# KiCad board EOutside.kicad_pcb (continued)
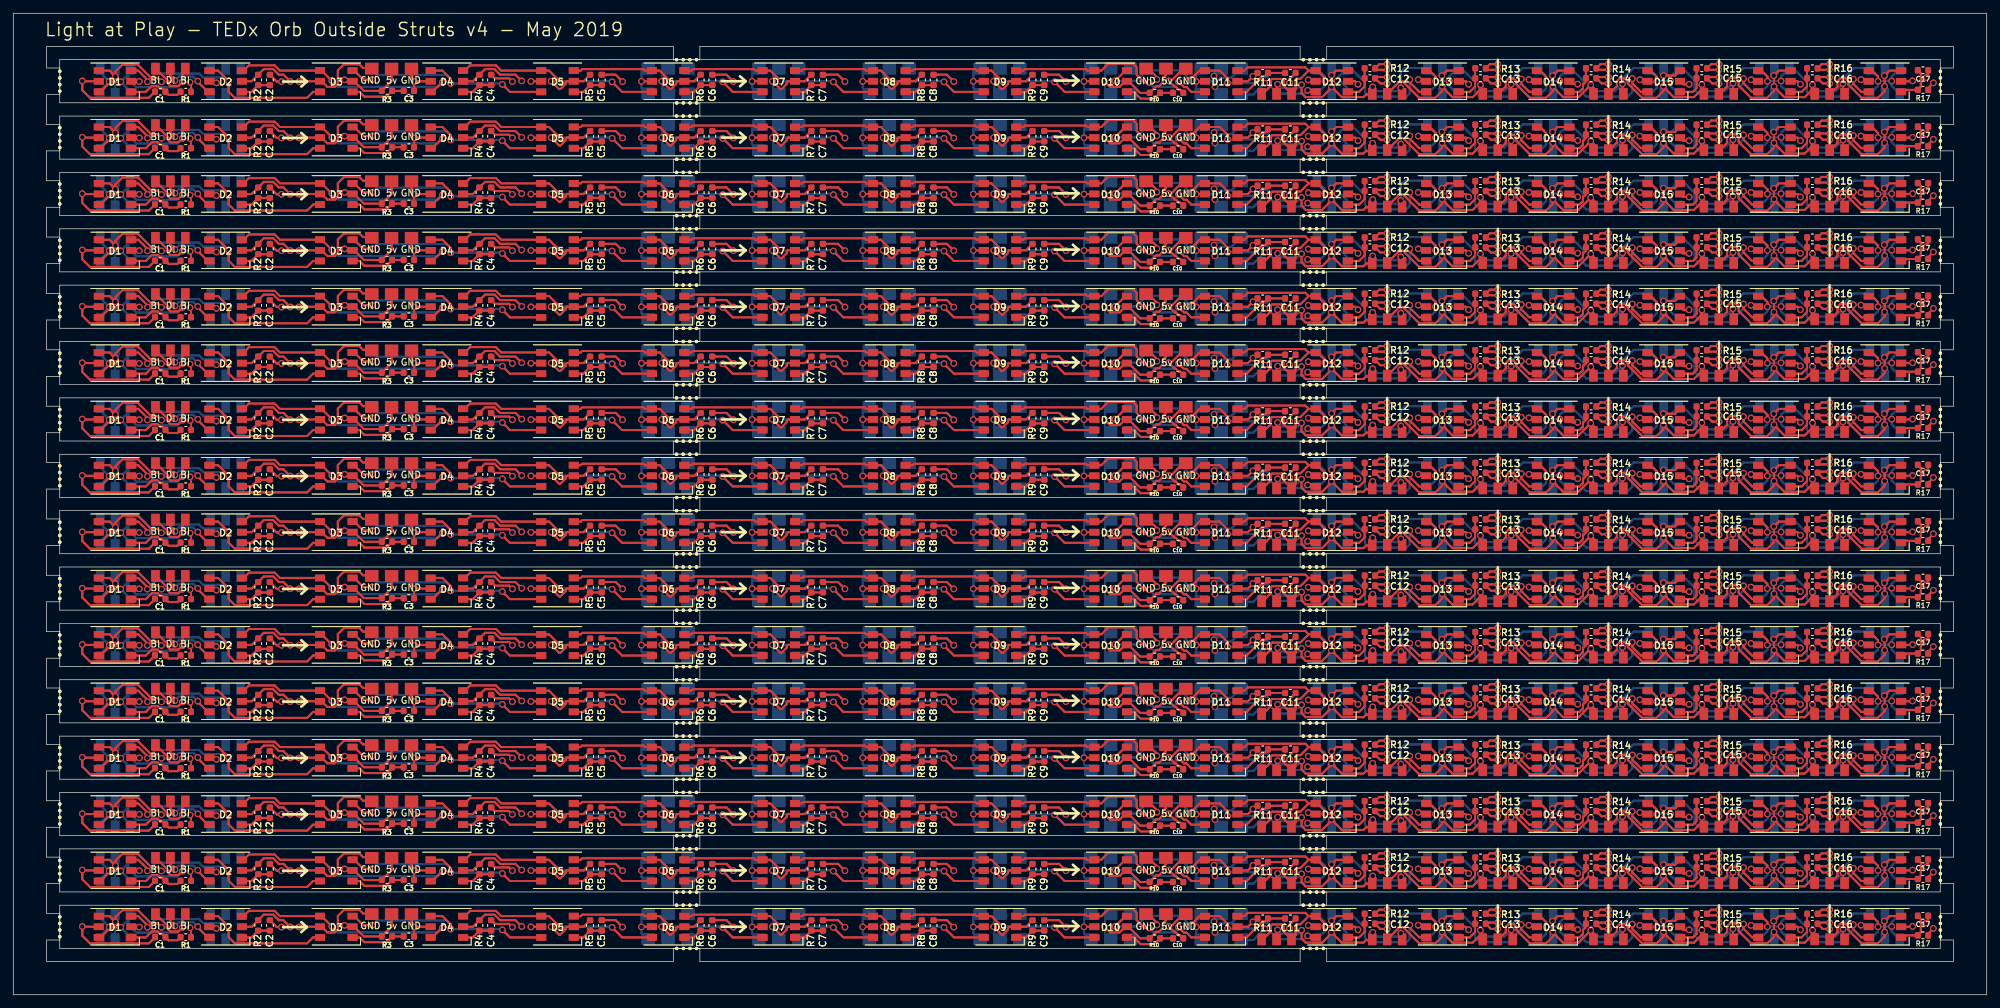
[diagram p0: board, top side]
## Placement (name value [footprint] x y rotation side) (continued)
J7#97  DAT_BRIDGE  [TEDX_DAT_BRIDGE]  32 81.5 180 bottom
J7#98  DAT_BRIDGE  [TEDX_DAT_BRIDGE]  32 75 0 bottom
J7#99  DAT_BRIDGE  [TEDX_DAT_BRIDGE]  15.33 81.5 180 bottom
J7#100  DAT_BRIDGE  [TEDX_DAT_BRIDGE]  15.33 75 0 bottom
J7#101  DAT_BRIDGE  [TEDX_DAT_BRIDGE]  15.33 81.5 180 bottom
J7#102  DAT_BRIDGE  [TEDX_DAT_BRIDGE]  15.33 83.5 0 bottom
J7#103  DAT_BRIDGE  [TEDX_DAT_BRIDGE]  32 98.5 180 bottom
J7#104  DAT_BRIDGE  [TEDX_DAT_BRIDGE]  32 92 0 bottom
J7#105  DAT_BRIDGE  [TEDX_DAT_BRIDGE]  15.33 98.5 180 bottom
J7#106  DAT_BRIDGE  [TEDX_DAT_BRIDGE]  15.33 92 0 bottom
J7#107  DAT_BRIDGE  [TEDX_DAT_BRIDGE]  15.33 98.5 180 bottom
J7#108  DAT_BRIDGE  [TEDX_DAT_BRIDGE]  15.33 75 0 bottom
J7#109  DAT_BRIDGE  [TEDX_DAT_BRIDGE]  32 92 0 bottom
J7#110  DAT_BRIDGE  [TEDX_DAT_BRIDGE]  15.33 98.5 180 bottom
J7#111  DAT_BRIDGE  [TEDX_DAT_BRIDGE]  15.33 92 0 bottom
J7#112  DAT_BRIDGE  [TEDX_DAT_BRIDGE]  15.33 98.5 180 bottom
J7#113  DAT_BRIDGE  [TEDX_DAT_BRIDGE]  32 98.5 180 bottom
J7#114  DAT_BRIDGE  [TEDX_DAT_BRIDGE]  32 90 180 bottom
J7#115  DAT_BRIDGE  [TEDX_DAT_BRIDGE]  32 83.5 0 bottom
J7#116  DAT_BRIDGE  [TEDX_DAT_BRIDGE]  15.33 100.5 0 bottom
J7#117  DAT_BRIDGE  [TEDX_DAT_BRIDGE]  15.33 90 180 bottom
J7#118  DAT_BRIDGE  [TEDX_DAT_BRIDGE]  15.33 107 180 bottom
J7#119  DAT_BRIDGE  [TEDX_DAT_BRIDGE]  32 100.5 0 bottom
J7#120  DAT_BRIDGE  [TEDX_DAT_BRIDGE]  15.33 107 180 bottom
J7#121  DAT_BRIDGE  [TEDX_DAT_BRIDGE]  15.33 100.5 0 bottom
J7#122  DAT_BRIDGE  [TEDX_DAT_BRIDGE]  32 107 180 bottom
J7#123  DAT_BRIDGE  [TEDX_DAT_BRIDGE]  15.33 100.5 0 bottom
J7#124  DAT_BRIDGE  [TEDX_DAT_BRIDGE]  15.33 90 180 bottom
J7#125  DAT_BRIDGE  [TEDX_DAT_BRIDGE]  15.33 92 0 bottom
J7#126  DAT_BRIDGE  [TEDX_DAT_BRIDGE]  15.33 75 0 bottom
J7#127  DAT_BRIDGE  [TEDX_DAT_BRIDGE]  15.33 83.5 0 bottom
J7#128  DAT_BRIDGE  [TEDX_DAT_BRIDGE]  15.33 92 0 bottom
J7#129  DAT_BRIDGE  [TEDX_DAT_BRIDGE]  15.33 58 0 bottom
J7#130  DAT_BRIDGE  [TEDX_DAT_BRIDGE]  15.33 64.5 180 bottom
J7#131  DAT_BRIDGE  [TEDX_DAT_BRIDGE]  32 47.5 180 bottom
J7#132  DAT_BRIDGE  [TEDX_DAT_BRIDGE]  15.33 49.5 0 bottom
J7#133  DAT_BRIDGE  [TEDX_DAT_BRIDGE]  32 64.5 180 bottom
J7#134  DAT_BRIDGE  [TEDX_DAT_BRIDGE]  32 58 0 bottom
J7#135  DAT_BRIDGE  [TEDX_DAT_BRIDGE]  15.33 64.5 180 bottom
J7#136  DAT_BRIDGE  [TEDX_DAT_BRIDGE]  15.33 47.5 180 bottom
J7#137  DAT_BRIDGE  [TEDX_DAT_BRIDGE]  15.33 47.5 180 bottom
J7#138  DAT_BRIDGE  [TEDX_DAT_BRIDGE]  15.33 41 0 bottom
J7#139  DAT_BRIDGE  [TEDX_DAT_BRIDGE]  15.33 49.5 0 bottom
J7#140  DAT_BRIDGE  [TEDX_DAT_BRIDGE]  32 56 180 bottom
J7#141  DAT_BRIDGE  [TEDX_DAT_BRIDGE]  15.33 56 180 bottom
J7#142  DAT_BRIDGE  [TEDX_DAT_BRIDGE]  15.33 56 180 bottom
J7#143  DAT_BRIDGE  [TEDX_DAT_BRIDGE]  15.33 49.5 0 bottom
J7#144  DAT_BRIDGE  [TEDX_DAT_BRIDGE]  32 49.5 0 bottom
J7#145  DAT_BRIDGE  [TEDX_DAT_BRIDGE]  15.33 41 0 bottom
J7#146  DAT_BRIDGE  [TEDX_DAT_BRIDGE]  32 49.5 0 bottom
J7#147  DAT_BRIDGE  [TEDX_DAT_BRIDGE]  32 58 0 bottom
J7#148  DAT_BRIDGE  [TEDX_DAT_BRIDGE]  15.33 64.5 180 bottom
J7#149  DAT_BRIDGE  [TEDX_DAT_BRIDGE]  15.33 58 0 bottom
J7#150  DAT_BRIDGE  [TEDX_DAT_BRIDGE]  32 64.5 180 bottom
J7#151  DAT_BRIDGE  [TEDX_DAT_BRIDGE]  32 56 180 bottom
J7#152  DAT_BRIDGE  [TEDX_DAT_BRIDGE]  15.33 64.5 180 bottom
J7#153  DAT_BRIDGE  [TEDX_DAT_BRIDGE]  32 73 180 bottom
J7#154  DAT_BRIDGE  [TEDX_DAT_BRIDGE]  32 66.5 0 bottom
J7#155  DAT_BRIDGE  [TEDX_DAT_BRIDGE]  15.33 56 180 bottom
J7#156  DAT_BRIDGE  [TEDX_DAT_BRIDGE]  15.33 66.5 0 bottom
J7#157  DAT_BRIDGE  [TEDX_DAT_BRIDGE]  15.33 73 180 bottom
J7#158  DAT_BRIDGE  [TEDX_DAT_BRIDGE]  15.33 58 0 bottom
J7#159  DAT_BRIDGE  [TEDX_DAT_BRIDGE]  15.33 56 180 bottom
J7#160  DAT_BRIDGE  [TEDX_DAT_BRIDGE]  15.33 66.5 0 bottom
J7#161  DAT_BRIDGE  [TEDX_DAT_BRIDGE]  15.33 73 180 bottom
J7#162  DAT_BRIDGE  [TEDX_DAT_BRIDGE]  15.33 73 180 bottom
J7#163  DAT_BRIDGE  [TEDX_DAT_BRIDGE]  15.33 66.5 0 bottom
J7#164  DAT_BRIDGE  [TEDX_DAT_BRIDGE]  15.33 49.5 0 bottom
J7#165  DAT_BRIDGE  [TEDX_DAT_BRIDGE]  15.33 58 0 bottom
J7#166  DAT_BRIDGE  [TEDX_DAT_BRIDGE]  15.33 41 0 bottom
J7#167  DAT_BRIDGE  [TEDX_DAT_BRIDGE]  15.33 47.5 180 bottom
J7#168  DAT_BRIDGE  [TEDX_DAT_BRIDGE]  32 41 0 bottom
J7#169  DAT_BRIDGE  [TEDX_DAT_BRIDGE]  32 41 0 bottom
J7#170  DAT_BRIDGE  [TEDX_DAT_BRIDGE]  15.33 47.5 180 bottom
J7#171  DAT_BRIDGE  [TEDX_DAT_BRIDGE]  15.33 41 0 bottom
J7#172  DAT_BRIDGE  [TEDX_DAT_BRIDGE]  32 47.5 180 bottom
J7#173  DAT_BRIDGE  [TEDX_DAT_BRIDGE]  32 66.5 0 bottom
J7#174  DAT_BRIDGE  [TEDX_DAT_BRIDGE]  15.33 73 180 bottom
J7#175  DAT_BRIDGE  [TEDX_DAT_BRIDGE]  15.33 66.5 0 bottom
J7#176  DAT_BRIDGE  [TEDX_DAT_BRIDGE]  32 73 180 bottom
J7#177  DAT_BRIDGE  [TEDX_DAT_BRIDGE]  15.33 24 0 bottom
J7#178  DAT_BRIDGE  [TEDX_DAT_BRIDGE]  15.33 7 0 bottom
J7#179  DAT_BRIDGE  [TEDX_DAT_BRIDGE]  15.33 30.5 180 bottom
J7#180  DAT_BRIDGE  [TEDX_DAT_BRIDGE]  32 22 180 bottom
J7#181  DAT_BRIDGE  [TEDX_DAT_BRIDGE]  15.33 22 180 bottom
J7#182  DAT_BRIDGE  [TEDX_DAT_BRIDGE]  15.33 22 180 bottom
J7#183  DAT_BRIDGE  [TEDX_DAT_BRIDGE]  15.33 15.5 0 bottom
J7#184  DAT_BRIDGE  [TEDX_DAT_BRIDGE]  32 15.5 0 bottom
J7#185  DAT_BRIDGE  [TEDX_DAT_BRIDGE]  15.33 7 0 bottom
J7#186  DAT_BRIDGE  [TEDX_DAT_BRIDGE]  32 15.5 0 bottom
J7#187  DAT_BRIDGE  [TEDX_DAT_BRIDGE]  32 24 0 bottom
J7#188  DAT_BRIDGE  [TEDX_DAT_BRIDGE]  15.33 30.5 180 bottom
J7#189  DAT_BRIDGE  [TEDX_DAT_BRIDGE]  15.33 24 0 bottom
J7#190  DAT_BRIDGE  [TEDX_DAT_BRIDGE]  32 13.5 180 bottom
J7#191  DAT_BRIDGE  [TEDX_DAT_BRIDGE]  15.33 15.5 0 bottom
J7#192  DAT_BRIDGE  [TEDX_DAT_BRIDGE]  32 22 180 bottom
J7#193  DAT_BRIDGE  [TEDX_DAT_BRIDGE]  15.33 30.5 180 bottom
J7#194  DAT_BRIDGE  [TEDX_DAT_BRIDGE]  32 39 180 bottom
J7#195  DAT_BRIDGE  [TEDX_DAT_BRIDGE]  32 32.5 0 bottom
J7#196  DAT_BRIDGE  [TEDX_DAT_BRIDGE]  15.33 22 180 bottom
J7#197  DAT_BRIDGE  [TEDX_DAT_BRIDGE]  15.33 32.5 0 bottom
J7#198  DAT_BRIDGE  [TEDX_DAT_BRIDGE]  32 13.5 180 bottom
J7#199  DAT_BRIDGE  [TEDX_DAT_BRIDGE]  32 32.5 0 bottom
J7#200  DAT_BRIDGE  [TEDX_DAT_BRIDGE]  15.33 39 180 bottom
J7#201  DAT_BRIDGE  [TEDX_DAT_BRIDGE]  15.33 32.5 0 bottom
J7#202  DAT_BRIDGE  [TEDX_DAT_BRIDGE]  32 39 180 bottom
J7#203  DAT_BRIDGE  [TEDX_DAT_BRIDGE]  15.33 15.5 0 bottom
J7#204  DAT_BRIDGE  [TEDX_DAT_BRIDGE]  32 30.5 180 bottom
J7#205  DAT_BRIDGE  [TEDX_DAT_BRIDGE]  32 24 0 bottom
J7#206  DAT_BRIDGE  [TEDX_DAT_BRIDGE]  15.33 30.5 180 bottom
J7#207  DAT_BRIDGE  [TEDX_DAT_BRIDGE]  15.33 13.5 180 bottom
J7#208  DAT_BRIDGE  [TEDX_DAT_BRIDGE]  15.33 13.5 180 bottom
J7#209  DAT_BRIDGE  [TEDX_DAT_BRIDGE]  15.33 7 0 bottom
J7#210  DAT_BRIDGE  [TEDX_DAT_BRIDGE]  15.33 24 0 bottom
J7#211  DAT_BRIDGE  [TEDX_DAT_BRIDGE]  32 30.5 180 bottom
J7#212  DAT_BRIDGE  [TEDX_DAT_BRIDGE]  15.33 39 180 bottom
J7#213  DAT_BRIDGE  [TEDX_DAT_BRIDGE]  15.33 32.5 0 bottom
J7#214  DAT_BRIDGE  [TEDX_DAT_BRIDGE]  15.33 13.5 180 bottom
J7#215  DAT_BRIDGE  [TEDX_DAT_BRIDGE]  15.33 32.5 0 bottom
J7#216  DAT_BRIDGE  [TEDX_DAT_BRIDGE]  15.33 39 180 bottom
J7#217  DAT_BRIDGE  [TEDX_DAT_BRIDGE]  32 7 0 bottom
J7#218  DAT_BRIDGE  [TEDX_DAT_BRIDGE]  32 7 0 bottom
J7#219  DAT_BRIDGE  [TEDX_DAT_BRIDGE]  15.33 13.5 180 bottom
J7#220  DAT_BRIDGE  [TEDX_DAT_BRIDGE]  15.33 7 0 bottom
J7#221  DAT_BRIDGE  [TEDX_DAT_BRIDGE]  15.33 24 0 bottom
J7#222  DAT_BRIDGE  [TEDX_DAT_BRIDGE]  15.33 15.5 0 bottom
J7#223  DAT_BRIDGE  [TEDX_DAT_BRIDGE]  15.33 22 180 bottom
J7#224  DAT_BRIDGE  [TEDX_DAT_BRIDGE]  15.33 39 180 bottom
J8  DAT_BRIDGE  [TEDX_DAT_BRIDGE]  190.33 134.5 180 top
J8#2  DAT_BRIDGE  [TEDX_DAT_BRIDGE]  190.33 126 180 top
J8#3  DAT_BRIDGE  [TEDX_DAT_BRIDGE]  190.33 117.5 180 top
J8#4  DAT_BRIDGE  [TEDX_DAT_BRIDGE]  190.33 109 180 top
J8#5  DAT_BRIDGE  [TEDX_DAT_BRIDGE]  190.33 117.5 180 top
J8#6  DAT_BRIDGE  [TEDX_DAT_BRIDGE]  190.33 109 180 top
J8#7  DAT_BRIDGE  [TEDX_DAT_BRIDGE]  190.33 134.5 180 top
J8#8  DAT_BRIDGE  [TEDX_DAT_BRIDGE]  190.33 126 180 top
J8#9  DAT_BRIDGE  [TEDX_DAT_BRIDGE]  190.33 83.5 180 top
J8#10  DAT_BRIDGE  [TEDX_DAT_BRIDGE]  190.33 75 180 top
J8#11  DAT_BRIDGE  [TEDX_DAT_BRIDGE]  190.33 100.5 180 top
J8#12  DAT_BRIDGE  [TEDX_DAT_BRIDGE]  190.33 83.5 180 top
J8#13  DAT_BRIDGE  [TEDX_DAT_BRIDGE]  190.33 75 180 top
J8#14  DAT_BRIDGE  [TEDX_DAT_BRIDGE]  190.33 100.5 180 top
J8#15  DAT_BRIDGE  [TEDX_DAT_BRIDGE]  190.33 92 180 top
J8#16  DAT_BRIDGE  [TEDX_DAT_BRIDGE]  190.33 92 180 top
J8#17  DAT_BRIDGE  [TEDX_DAT_BRIDGE]  190.33 49.5 180 top
J8#18  DAT_BRIDGE  [TEDX_DAT_BRIDGE]  190.33 41 180 top
J8#19  DAT_BRIDGE  [TEDX_DAT_BRIDGE]  190.33 66.5 180 top
J8#20  DAT_BRIDGE  [TEDX_DAT_BRIDGE]  190.33 41 180 top
J8#21  DAT_BRIDGE  [TEDX_DAT_BRIDGE]  190.33 49.5 180 top
J8#22  DAT_BRIDGE  [TEDX_DAT_BRIDGE]  190.33 58 180 top
J8#23  DAT_BRIDGE  [TEDX_DAT_BRIDGE]  190.33 58 180 top
J8#24  DAT_BRIDGE  [TEDX_DAT_BRIDGE]  190.33 66.5 180 top
J8#25  DAT_BRIDGE  [TEDX_DAT_BRIDGE]  190.33 15.5 180 top
J8#26  DAT_BRIDGE  [TEDX_DAT_BRIDGE]  190.33 15.5 180 top
J8#27  DAT_BRIDGE  [TEDX_DAT_BRIDGE]  190.33 7 180 top
J8#28  DAT_BRIDGE  [TEDX_DAT_BRIDGE]  190.33 32.5 180 top
J8#29  DAT_BRIDGE  [TEDX_DAT_BRIDGE]  190.33 24 180 top
J8#30  DAT_BRIDGE  [TEDX_DAT_BRIDGE]  190.33 32.5 180 top
J8#31  DAT_BRIDGE  [TEDX_DAT_BRIDGE]  190.33 7 180 top
J8#32  DAT_BRIDGE  [TEDX_DAT_BRIDGE]  190.33 24 180 top
J8#33  DAT_BRIDGE  [TEDX_DAT_BRIDGE]  198.67 141 180 bottom
J8#34  DAT_BRIDGE  [TEDX_DAT_BRIDGE]  198.67 134.5 0 bottom
J8#35  DAT_BRIDGE  [TEDX_DAT_BRIDGE]  198.67 126 0 bottom
J8#36  DAT_BRIDGE  [TEDX_DAT_BRIDGE]  198.67 132.5 180 bottom
J8#37  DAT_BRIDGE  [TEDX_DAT_BRIDGE]  198.67 117.5 0 bottom
J8#38  DAT_BRIDGE  [TEDX_DAT_BRIDGE]  198.67 124 180 bottom
J8#39  DAT_BRIDGE  [TEDX_DAT_BRIDGE]  198.67 109 0 bottom
J8#40  DAT_BRIDGE  [TEDX_DAT_BRIDGE]  198.67 115.5 180 bottom
J8#41  DAT_BRIDGE  [TEDX_DAT_BRIDGE]  198.67 117.5 0 bottom
J8#42  DAT_BRIDGE  [TEDX_DAT_BRIDGE]  198.67 124 180 bottom
J8#43  DAT_BRIDGE  [TEDX_DAT_BRIDGE]  198.67 109 0 bottom
J8#44  DAT_BRIDGE  [TEDX_DAT_BRIDGE]  198.67 115.5 180 bottom
J8#45  DAT_BRIDGE  [TEDX_DAT_BRIDGE]  198.67 134.5 0 bottom
J8#46  DAT_BRIDGE  [TEDX_DAT_BRIDGE]  198.67 141 180 bottom
J8#47  DAT_BRIDGE  [TEDX_DAT_BRIDGE]  198.67 126 0 bottom
J8#48  DAT_BRIDGE  [TEDX_DAT_BRIDGE]  198.67 132.5 180 bottom
J8#49  DAT_BRIDGE  [TEDX_DAT_BRIDGE]  198.67 83.5 0 bottom
J8#50  DAT_BRIDGE  [TEDX_DAT_BRIDGE]  198.67 90 180 bottom
J8#51  DAT_BRIDGE  [TEDX_DAT_BRIDGE]  198.67 75 0 bottom
J8#52  DAT_BRIDGE  [TEDX_DAT_BRIDGE]  198.67 81.5 180 bottom
J8#53  DAT_BRIDGE  [TEDX_DAT_BRIDGE]  198.67 100.5 0 bottom
J8#54  DAT_BRIDGE  [TEDX_DAT_BRIDGE]  198.67 107 180 bottom
J8#55  DAT_BRIDGE  [TEDX_DAT_BRIDGE]  198.67 98.5 180 bottom
J8#56  DAT_BRIDGE  [TEDX_DAT_BRIDGE]  198.67 92 0 bottom
J8#57  DAT_BRIDGE  [TEDX_DAT_BRIDGE]  198.67 100.5 0 bottom
J8#58  DAT_BRIDGE  [TEDX_DAT_BRIDGE]  198.67 92 0 bottom
J8#59  DAT_BRIDGE  [TEDX_DAT_BRIDGE]  198.67 98.5 180 bottom
J8#60  DAT_BRIDGE  [TEDX_DAT_BRIDGE]  198.67 81.5 180 bottom
J8#61  DAT_BRIDGE  [TEDX_DAT_BRIDGE]  198.67 83.5 0 bottom
J8#62  DAT_BRIDGE  [TEDX_DAT_BRIDGE]  198.67 107 180 bottom
J8#63  DAT_BRIDGE  [TEDX_DAT_BRIDGE]  198.67 90 180 bottom
J8#64  DAT_BRIDGE  [TEDX_DAT_BRIDGE]  198.67 75 0 bottom
J8#65  DAT_BRIDGE  [TEDX_DAT_BRIDGE]  198.67 64.5 180 bottom
J8#66  DAT_BRIDGE  [TEDX_DAT_BRIDGE]  198.67 58 0 bottom
J8#67  DAT_BRIDGE  [TEDX_DAT_BRIDGE]  198.67 66.5 0 bottom
J8#68  DAT_BRIDGE  [TEDX_DAT_BRIDGE]  198.67 58 0 bottom
J8#69  DAT_BRIDGE  [TEDX_DAT_BRIDGE]  198.67 64.5 180 bottom
J8#70  DAT_BRIDGE  [TEDX_DAT_BRIDGE]  198.67 66.5 0 bottom
J8#71  DAT_BRIDGE  [TEDX_DAT_BRIDGE]  198.67 49.5 0 bottom
J8#72  DAT_BRIDGE  [TEDX_DAT_BRIDGE]  198.67 56 180 bottom
J8#73  DAT_BRIDGE  [TEDX_DAT_BRIDGE]  198.67 41 0 bottom
J8#74  DAT_BRIDGE  [TEDX_DAT_BRIDGE]  198.67 47.5 180 bottom
J8#75  DAT_BRIDGE  [TEDX_DAT_BRIDGE]  198.67 73 180 bottom
J8#76  DAT_BRIDGE  [TEDX_DAT_BRIDGE]  198.67 56 180 bottom
J8#77  DAT_BRIDGE  [TEDX_DAT_BRIDGE]  198.67 73 180 bottom
J8#78  DAT_BRIDGE  [TEDX_DAT_BRIDGE]  198.67 41 0 bottom
J8#79  DAT_BRIDGE  [TEDX_DAT_BRIDGE]  198.67 47.5 180 bottom
J8#80  DAT_BRIDGE  [TEDX_DAT_BRIDGE]  198.67 49.5 0 bottom
J8#81  DAT_BRIDGE  [TEDX_DAT_BRIDGE]  198.67 24 0 bottom
J8#82  DAT_BRIDGE  [TEDX_DAT_BRIDGE]  198.67 7 0 bottom
J8#83  DAT_BRIDGE  [TEDX_DAT_BRIDGE]  198.67 15.5 0 bottom
J8#84  DAT_BRIDGE  [TEDX_DAT_BRIDGE]  198.67 32.5 0 bottom
J8#85  DAT_BRIDGE  [TEDX_DAT_BRIDGE]  198.67 24 0 bottom
J8#86  DAT_BRIDGE  [TEDX_DAT_BRIDGE]  198.67 30.5 180 bottom
J8#87  DAT_BRIDGE  [TEDX_DAT_BRIDGE]  198.67 22 180 bottom
J8#88  DAT_BRIDGE  [TEDX_DAT_BRIDGE]  198.67 7 0 bottom
J8#89  DAT_BRIDGE  [TEDX_DAT_BRIDGE]  198.67 13.5 180 bottom
J8#90  DAT_BRIDGE  [TEDX_DAT_BRIDGE]  198.67 30.5 180 bottom
J8#91  DAT_BRIDGE  [TEDX_DAT_BRIDGE]  198.67 32.5 0 bottom
J8#92  DAT_BRIDGE  [TEDX_DAT_BRIDGE]  198.67 39 180 bottom
J8#93  DAT_BRIDGE  [TEDX_DAT_BRIDGE]  198.67 13.5 180 bottom
J8#94  DAT_BRIDGE  [TEDX_DAT_BRIDGE]  198.67 15.5 0 bottom
J8#95  DAT_BRIDGE  [TEDX_DAT_BRIDGE]  198.67 39 180 bottom
J8#96  DAT_BRIDGE  [TEDX_DAT_BRIDGE]  198.67 22 180 bottom
J9  DAT_BRIDGE  [TEDX_DAT_BRIDGE]  207 134.5 180 top
J9#2  DAT_BRIDGE  [TEDX_DAT_BRIDGE]  207 126 180 top
J9#3  DAT_BRIDGE  [TEDX_DAT_BRIDGE]  207 117.5 180 top
J9#4  DAT_BRIDGE  [TEDX_DAT_BRIDGE]  207 109 180 top
J9#5  DAT_BRIDGE  [TEDX_DAT_BRIDGE]  207 109 180 top
J9#6  DAT_BRIDGE  [TEDX_DAT_BRIDGE]  207 117.5 180 top
J9#7  DAT_BRIDGE  [TEDX_DAT_BRIDGE]  207 134.5 180 top
J9#8  DAT_BRIDGE  [TEDX_DAT_BRIDGE]  207 126 180 top
J9#9  DAT_BRIDGE  [TEDX_DAT_BRIDGE]  207 75 180 top
J9#10  DAT_BRIDGE  [TEDX_DAT_BRIDGE]  207 83.5 180 top
J9#11  DAT_BRIDGE  [TEDX_DAT_BRIDGE]  207 100.5 180 top
J9#12  DAT_BRIDGE  [TEDX_DAT_BRIDGE]  207 83.5 180 top
J9#13  DAT_BRIDGE  [TEDX_DAT_BRIDGE]  207 75 180 top
J9#14  DAT_BRIDGE  [TEDX_DAT_BRIDGE]  207 92 180 top
J9#15  DAT_BRIDGE  [TEDX_DAT_BRIDGE]  207 100.5 180 top
J9#16  DAT_BRIDGE  [TEDX_DAT_BRIDGE]  207 92 180 top
J9#17  DAT_BRIDGE  [TEDX_DAT_BRIDGE]  207 49.5 180 top
J9#18  DAT_BRIDGE  [TEDX_DAT_BRIDGE]  207 41 180 top
J9#19  DAT_BRIDGE  [TEDX_DAT_BRIDGE]  207 49.5 180 top
J9#20  DAT_BRIDGE  [TEDX_DAT_BRIDGE]  207 41 180 top
J9#21  DAT_BRIDGE  [TEDX_DAT_BRIDGE]  207 58 180 top
J9#22  DAT_BRIDGE  [TEDX_DAT_BRIDGE]  207 58 180 top
J9#23  DAT_BRIDGE  [TEDX_DAT_BRIDGE]  207 66.5 180 top
J9#24  DAT_BRIDGE  [TEDX_DAT_BRIDGE]  207 66.5 180 top
J9#25  DAT_BRIDGE  [TEDX_DAT_BRIDGE]  207 15.5 180 top
J9#26  DAT_BRIDGE  [TEDX_DAT_BRIDGE]  207 24 180 top
J9#27  DAT_BRIDGE  [TEDX_DAT_BRIDGE]  207 15.5 180 top
J9#28  DAT_BRIDGE  [TEDX_DAT_BRIDGE]  207 7 180 top
J9#29  DAT_BRIDGE  [TEDX_DAT_BRIDGE]  207 7 180 top
J9#30  DAT_BRIDGE  [TEDX_DAT_BRIDGE]  207 32.5 180 top
J9#31  DAT_BRIDGE  [TEDX_DAT_BRIDGE]  207 32.5 180 top
J9#32  DAT_BRIDGE  [TEDX_DAT_BRIDGE]  207 24 180 top
J9#33  DAT_BRIDGE  [TEDX_DAT_BRIDGE]  215.33 141 180 bottom
J9#34  DAT_BRIDGE  [TEDX_DAT_BRIDGE]  215.33 134.5 0 bottom
J9#35  DAT_BRIDGE  [TEDX_DAT_BRIDGE]  215.33 126 0 bottom
J9#36  DAT_BRIDGE  [TEDX_DAT_BRIDGE]  215.33 132.5 180 bottom
J9#37  DAT_BRIDGE  [TEDX_DAT_BRIDGE]  215.33 117.5 0 bottom
J9#38  DAT_BRIDGE  [TEDX_DAT_BRIDGE]  215.33 109 0 bottom
J9#39  DAT_BRIDGE  [TEDX_DAT_BRIDGE]  215.33 124 180 bottom
J9#40  DAT_BRIDGE  [TEDX_DAT_BRIDGE]  215.33 115.5 180 bottom
J9#41  DAT_BRIDGE  [TEDX_DAT_BRIDGE]  215.33 117.5 0 bottom
J9#42  DAT_BRIDGE  [TEDX_DAT_BRIDGE]  215.33 109 0 bottom
J9#43  DAT_BRIDGE  [TEDX_DAT_BRIDGE]  215.33 124 180 bottom
J9#44  DAT_BRIDGE  [TEDX_DAT_BRIDGE]  215.33 134.5 0 bottom
J9#45  DAT_BRIDGE  [TEDX_DAT_BRIDGE]  215.33 126 0 bottom
J9#46  DAT_BRIDGE  [TEDX_DAT_BRIDGE]  215.33 115.5 180 bottom
J9#47  DAT_BRIDGE  [TEDX_DAT_BRIDGE]  215.33 141 180 bottom
J9#48  DAT_BRIDGE  [TEDX_DAT_BRIDGE]  215.33 132.5 180 bottom
J9#49  DAT_BRIDGE  [TEDX_DAT_BRIDGE]  215.33 83.5 0 bottom
J9#50  DAT_BRIDGE  [TEDX_DAT_BRIDGE]  215.33 75 0 bottom
J9#51  DAT_BRIDGE  [TEDX_DAT_BRIDGE]  215.33 90 180 bottom
J9#52  DAT_BRIDGE  [TEDX_DAT_BRIDGE]  215.33 100.5 0 bottom
J9#53  DAT_BRIDGE  [TEDX_DAT_BRIDGE]  215.33 100.5 0 bottom
J9#54  DAT_BRIDGE  [TEDX_DAT_BRIDGE]  215.33 90 180 bottom
J9#55  DAT_BRIDGE  [TEDX_DAT_BRIDGE]  215.33 92 0 bottom
J9#56  DAT_BRIDGE  [TEDX_DAT_BRIDGE]  215.33 81.5 180 bottom
J9#57  DAT_BRIDGE  [TEDX_DAT_BRIDGE]  215.33 92 0 bottom
J9#58  DAT_BRIDGE  [TEDX_DAT_BRIDGE]  215.33 83.5 0 bottom
J9#59  DAT_BRIDGE  [TEDX_DAT_BRIDGE]  215.33 107 180 bottom
J9#60  DAT_BRIDGE  [TEDX_DAT_BRIDGE]  215.33 75 0 bottom
J9#61  DAT_BRIDGE  [TEDX_DAT_BRIDGE]  215.33 107 180 bottom
J9#62  DAT_BRIDGE  [TEDX_DAT_BRIDGE]  215.33 98.5 180 bottom
J9#63  DAT_BRIDGE  [TEDX_DAT_BRIDGE]  215.33 81.5 180 bottom
J9#64  DAT_BRIDGE  [TEDX_DAT_BRIDGE]  215.33 98.5 180 bottom
J9#65  DAT_BRIDGE  [TEDX_DAT_BRIDGE]  215.33 58 0 bottom
J9#66  DAT_BRIDGE  [TEDX_DAT_BRIDGE]  215.33 66.5 0 bottom
J9#67  DAT_BRIDGE  [TEDX_DAT_BRIDGE]  215.33 56 180 bottom
J9#68  DAT_BRIDGE  [TEDX_DAT_BRIDGE]  215.33 66.5 0 bottom
J9#69  DAT_BRIDGE  [TEDX_DAT_BRIDGE]  215.33 49.5 0 bottom
J9#70  DAT_BRIDGE  [TEDX_DAT_BRIDGE]  215.33 47.5 180 bottom
J9#71  DAT_BRIDGE  [TEDX_DAT_BRIDGE]  215.33 49.5 0 bottom
J9#72  DAT_BRIDGE  [TEDX_DAT_BRIDGE]  215.33 58 0 bottom
J9#73  DAT_BRIDGE  [TEDX_DAT_BRIDGE]  215.33 73 180 bottom
J9#74  DAT_BRIDGE  [TEDX_DAT_BRIDGE]  215.33 64.5 180 bottom
J9#75  DAT_BRIDGE  [TEDX_DAT_BRIDGE]  215.33 41 0 bottom
J9#76  DAT_BRIDGE  [TEDX_DAT_BRIDGE]  215.33 73 180 bottom
J9#77  DAT_BRIDGE  [TEDX_DAT_BRIDGE]  215.33 64.5 180 bottom
J9#78  DAT_BRIDGE  [TEDX_DAT_BRIDGE]  215.33 47.5 180 bottom
J9#79  DAT_BRIDGE  [TEDX_DAT_BRIDGE]  215.33 56 180 bottom
J9#80  DAT_BRIDGE  [TEDX_DAT_BRIDGE]  215.33 41 0 bottom
J9#81  DAT_BRIDGE  [TEDX_DAT_BRIDGE]  215.33 30.5 180 bottom
J9#82  DAT_BRIDGE  [TEDX_DAT_BRIDGE]  215.33 13.5 180 bottom
J9#83  DAT_BRIDGE  [TEDX_DAT_BRIDGE]  215.33 15.5 0 bottom
J9#84  DAT_BRIDGE  [TEDX_DAT_BRIDGE]  215.33 13.5 180 bottom
J9#85  DAT_BRIDGE  [TEDX_DAT_BRIDGE]  215.33 15.5 0 bottom
J9#86  DAT_BRIDGE  [TEDX_DAT_BRIDGE]  215.33 32.5 0 bottom
J9#87  DAT_BRIDGE  [TEDX_DAT_BRIDGE]  215.33 22 180 bottom
J9#88  DAT_BRIDGE  [TEDX_DAT_BRIDGE]  215.33 24 0 bottom
J9#89  DAT_BRIDGE  [TEDX_DAT_BRIDGE]  215.33 39 180 bottom
J9#90  DAT_BRIDGE  [TEDX_DAT_BRIDGE]  215.33 22 180 bottom
J9#91  DAT_BRIDGE  [TEDX_DAT_BRIDGE]  215.33 7 0 bottom
J9#92  DAT_BRIDGE  [TEDX_DAT_BRIDGE]  215.33 32.5 0 bottom
J9#93  DAT_BRIDGE  [TEDX_DAT_BRIDGE]  215.33 24 0 bottom
J9#94  DAT_BRIDGE  [TEDX_DAT_BRIDGE]  215.33 30.5 180 bottom
J9#95  DAT_BRIDGE  [TEDX_DAT_BRIDGE]  215.33 7 0 bottom
J9#96  DAT_BRIDGE  [TEDX_DAT_BRIDGE]  215.33 39 180 bottom
J10  DAT_BRIDGE  [TEDX_DAT_BRIDGE]  223.67 134.5 180 top
J10#2  DAT_BRIDGE  [TEDX_DAT_BRIDGE]  223.67 126 180 top
J10#3  DAT_BRIDGE  [TEDX_DAT_BRIDGE]  223.67 117.5 180 top
J10#4  DAT_BRIDGE  [TEDX_DAT_BRIDGE]  223.67 109 180 top
J10#5  DAT_BRIDGE  [TEDX_DAT_BRIDGE]  223.67 117.5 180 top
J10#6  DAT_BRIDGE  [TEDX_DAT_BRIDGE]  223.67 134.5 180 top
J10#7  DAT_BRIDGE  [TEDX_DAT_BRIDGE]  223.67 126 180 top
J10#8  DAT_BRIDGE  [TEDX_DAT_BRIDGE]  223.67 109 180 top
J10#9  DAT_BRIDGE  [TEDX_DAT_BRIDGE]  223.67 83.5 180 top
J10#10  DAT_BRIDGE  [TEDX_DAT_BRIDGE]  223.67 100.5 180 top
J10#11  DAT_BRIDGE  [TEDX_DAT_BRIDGE]  223.67 100.5 180 top
J10#12  DAT_BRIDGE  [TEDX_DAT_BRIDGE]  223.67 83.5 180 top
J10#13  DAT_BRIDGE  [TEDX_DAT_BRIDGE]  223.67 92 180 top
J10#14  DAT_BRIDGE  [TEDX_DAT_BRIDGE]  223.67 75 180 top
J10#15  DAT_BRIDGE  [TEDX_DAT_BRIDGE]  223.67 75 180 top
J10#16  DAT_BRIDGE  [TEDX_DAT_BRIDGE]  223.67 92 180 top
J10#17  DAT_BRIDGE  [TEDX_DAT_BRIDGE]  223.67 58 180 top
J10#18  DAT_BRIDGE  [TEDX_DAT_BRIDGE]  223.67 41 180 top
J10#19  DAT_BRIDGE  [TEDX_DAT_BRIDGE]  223.67 66.5 180 top
J10#20  DAT_BRIDGE  [TEDX_DAT_BRIDGE]  223.67 49.5 180 top
J10#21  DAT_BRIDGE  [TEDX_DAT_BRIDGE]  223.67 49.5 180 top
J10#22  DAT_BRIDGE  [TEDX_DAT_BRIDGE]  223.67 58 180 top
J10#23  DAT_BRIDGE  [TEDX_DAT_BRIDGE]  223.67 66.5 180 top
J10#24  DAT_BRIDGE  [TEDX_DAT_BRIDGE]  223.67 41 180 top
J10#25  DAT_BRIDGE  [TEDX_DAT_BRIDGE]  223.67 32.5 180 top
J10#26  DAT_BRIDGE  [TEDX_DAT_BRIDGE]  223.67 15.5 180 top
J10#27  DAT_BRIDGE  [TEDX_DAT_BRIDGE]  223.67 24 180 top
J10#28  DAT_BRIDGE  [TEDX_DAT_BRIDGE]  223.67 15.5 180 top
J10#29  DAT_BRIDGE  [TEDX_DAT_BRIDGE]  223.67 24 180 top
J10#30  DAT_BRIDGE  [TEDX_DAT_BRIDGE]  223.67 7 180 top
J10#31  DAT_BRIDGE  [TEDX_DAT_BRIDGE]  223.67 7 180 top
J10#32  DAT_BRIDGE  [TEDX_DAT_BRIDGE]  223.67 32.5 180 top
J10#33  DAT_BRIDGE  [TEDX_DAT_BRIDGE]  232 141 180 bottom
J10#34  DAT_BRIDGE  [TEDX_DAT_BRIDGE]  232 134.5 0 bottom
J10#35  DAT_BRIDGE  [TEDX_DAT_BRIDGE]  232 126 0 bottom
J10#36  DAT_BRIDGE  [TEDX_DAT_BRIDGE]  232 132.5 180 bottom
J10#37  DAT_BRIDGE  [TEDX_DAT_BRIDGE]  232 117.5 0 bottom
J10#38  DAT_BRIDGE  [TEDX_DAT_BRIDGE]  232 109 0 bottom
J10#39  DAT_BRIDGE  [TEDX_DAT_BRIDGE]  232 115.5 180 bottom
J10#40  DAT_BRIDGE  [TEDX_DAT_BRIDGE]  232 124 180 bottom
J10#41  DAT_BRIDGE  [TEDX_DAT_BRIDGE]  232 117.5 0 bottom
J10#42  DAT_BRIDGE  [TEDX_DAT_BRIDGE]  232 109 0 bottom
J10#43  DAT_BRIDGE  [TEDX_DAT_BRIDGE]  232 124 180 bottom
J10#44  DAT_BRIDGE  [TEDX_DAT_BRIDGE]  232 115.5 180 bottom
J10#45  DAT_BRIDGE  [TEDX_DAT_BRIDGE]  232 134.5 0 bottom
J10#46  DAT_BRIDGE  [TEDX_DAT_BRIDGE]  232 126 0 bottom
J10#47  DAT_BRIDGE  [TEDX_DAT_BRIDGE]  232 132.5 180 bottom
J10#48  DAT_BRIDGE  [TEDX_DAT_BRIDGE]  232 141 180 bottom
J10#49  DAT_BRIDGE  [TEDX_DAT_BRIDGE]  232 83.5 0 bottom
J10#50  DAT_BRIDGE  [TEDX_DAT_BRIDGE]  232 75 0 bottom
J10#51  DAT_BRIDGE  [TEDX_DAT_BRIDGE]  232 90 180 bottom
J10#52  DAT_BRIDGE  [TEDX_DAT_BRIDGE]  232 81.5 180 bottom
J10#53  DAT_BRIDGE  [TEDX_DAT_BRIDGE]  232 100.5 0 bottom
J10#54  DAT_BRIDGE  [TEDX_DAT_BRIDGE]  232 100.5 0 bottom
J10#55  DAT_BRIDGE  [TEDX_DAT_BRIDGE]  232 81.5 180 bottom
J10#56  DAT_BRIDGE  [TEDX_DAT_BRIDGE]  232 92 0 bottom
J10#57  DAT_BRIDGE  [TEDX_DAT_BRIDGE]  232 92 0 bottom
J10#58  DAT_BRIDGE  [TEDX_DAT_BRIDGE]  232 83.5 0 bottom
J10#59  DAT_BRIDGE  [TEDX_DAT_BRIDGE]  232 107 180 bottom
J10#60  DAT_BRIDGE  [TEDX_DAT_BRIDGE]  232 75 0 bottom
J10#61  DAT_BRIDGE  [TEDX_DAT_BRIDGE]  232 90 180 bottom
J10#62  DAT_BRIDGE  [TEDX_DAT_BRIDGE]  232 98.5 180 bottom
J10#63  DAT_BRIDGE  [TEDX_DAT_BRIDGE]  232 107 180 bottom
J10#64  DAT_BRIDGE  [TEDX_DAT_BRIDGE]  232 98.5 180 bottom
J10#65  DAT_BRIDGE  [TEDX_DAT_BRIDGE]  232 41 0 bottom
J10#66  DAT_BRIDGE  [TEDX_DAT_BRIDGE]  232 66.5 0 bottom
J10#67  DAT_BRIDGE  [TEDX_DAT_BRIDGE]  232 47.5 180 bottom
J10#68  DAT_BRIDGE  [TEDX_DAT_BRIDGE]  232 58 0 bottom
J10#69  DAT_BRIDGE  [TEDX_DAT_BRIDGE]  232 56 180 bottom
J10#70  DAT_BRIDGE  [TEDX_DAT_BRIDGE]  232 47.5 180 bottom
J10#71  DAT_BRIDGE  [TEDX_DAT_BRIDGE]  232 49.5 0 bottom
J10#72  DAT_BRIDGE  [TEDX_DAT_BRIDGE]  232 49.5 0 bottom
J10#73  DAT_BRIDGE  [TEDX_DAT_BRIDGE]  232 64.5 180 bottom
J10#74  DAT_BRIDGE  [TEDX_DAT_BRIDGE]  232 73 180 bottom
J10#75  DAT_BRIDGE  [TEDX_DAT_BRIDGE]  232 64.5 180 bottom
J10#76  DAT_BRIDGE  [TEDX_DAT_BRIDGE]  232 58 0 bottom
J10#77  DAT_BRIDGE  [TEDX_DAT_BRIDGE]  232 66.5 0 bottom
J10#78  DAT_BRIDGE  [TEDX_DAT_BRIDGE]  232 73 180 bottom
J10#79  DAT_BRIDGE  [TEDX_DAT_BRIDGE]  232 41 0 bottom
J10#80  DAT_BRIDGE  [TEDX_DAT_BRIDGE]  232 56 180 bottom
J10#81  DAT_BRIDGE  [TEDX_DAT_BRIDGE]  232 7 0 bottom
J10#82  DAT_BRIDGE  [TEDX_DAT_BRIDGE]  232 32.5 0 bottom
J10#83  DAT_BRIDGE  [TEDX_DAT_BRIDGE]  232 15.5 0 bottom
J10#84  DAT_BRIDGE  [TEDX_DAT_BRIDGE]  232 15.5 0 bottom
J10#85  DAT_BRIDGE  [TEDX_DAT_BRIDGE]  232 32.5 0 bottom
J10#86  DAT_BRIDGE  [TEDX_DAT_BRIDGE]  232 13.5 180 bottom
J10#87  DAT_BRIDGE  [TEDX_DAT_BRIDGE]  232 22 180 bottom
J10#88  DAT_BRIDGE  [TEDX_DAT_BRIDGE]  232 13.5 180 bottom
J10#89  DAT_BRIDGE  [TEDX_DAT_BRIDGE]  232 22 180 bottom
J10#90  DAT_BRIDGE  [TEDX_DAT_BRIDGE]  232 24 0 bottom
J10#91  DAT_BRIDGE  [TEDX_DAT_BRIDGE]  232 39 180 bottom
J10#92  DAT_BRIDGE  [TEDX_DAT_BRIDGE]  232 7 0 bottom
J10#93  DAT_BRIDGE  [TEDX_DAT_BRIDGE]  232 30.5 180 bottom
J10#94  DAT_BRIDGE  [TEDX_DAT_BRIDGE]  232 39 180 bottom
J10#95  DAT_BRIDGE  [TEDX_DAT_BRIDGE]  232 30.5 180 bottom
J10#96  DAT_BRIDGE  [TEDX_DAT_BRIDGE]  232 24 0 bottom
J11  DAT_BRIDGE  [TEDX_DAT_BRIDGE]  240.33 134.5 180 top
J11#2  DAT_BRIDGE  [TEDX_DAT_BRIDGE]  240.33 126 180 top
J11#3  DAT_BRIDGE  [TEDX_DAT_BRIDGE]  240.33 117.5 180 top
J11#4  DAT_BRIDGE  [TEDX_DAT_BRIDGE]  240.33 109 180 top
J11#5  DAT_BRIDGE  [TEDX_DAT_BRIDGE]  240.33 117.5 180 top
J11#6  DAT_BRIDGE  [TEDX_DAT_BRIDGE]  240.33 109 180 top
J11#7  DAT_BRIDGE  [TEDX_DAT_BRIDGE]  240.33 134.5 180 top
J11#8  DAT_BRIDGE  [TEDX_DAT_BRIDGE]  240.33 126 180 top
J11#9  DAT_BRIDGE  [TEDX_DAT_BRIDGE]  240.33 83.5 180 top
J11#10  DAT_BRIDGE  [TEDX_DAT_BRIDGE]  240.33 75 180 top
J11#11  DAT_BRIDGE  [TEDX_DAT_BRIDGE]  240.33 100.5 180 top
J11#12  DAT_BRIDGE  [TEDX_DAT_BRIDGE]  240.33 75 180 top
J11#13  DAT_BRIDGE  [TEDX_DAT_BRIDGE]  240.33 92 180 top
J11#14  DAT_BRIDGE  [TEDX_DAT_BRIDGE]  240.33 92 180 top
J11#15  DAT_BRIDGE  [TEDX_DAT_BRIDGE]  240.33 83.5 180 top